# Altium PCB A PCB Christmas.PcbDoc
Units mil, origin at the board's own origin, x right, y up, seen from the top; angles counter-clockwise.
Board outline 3992.29 x 5411.45 mil, 2 copper layers (TOP, BOT), stack 59.8 mil thick; 102 components, 52 nets, 272 pads, 172 vias.
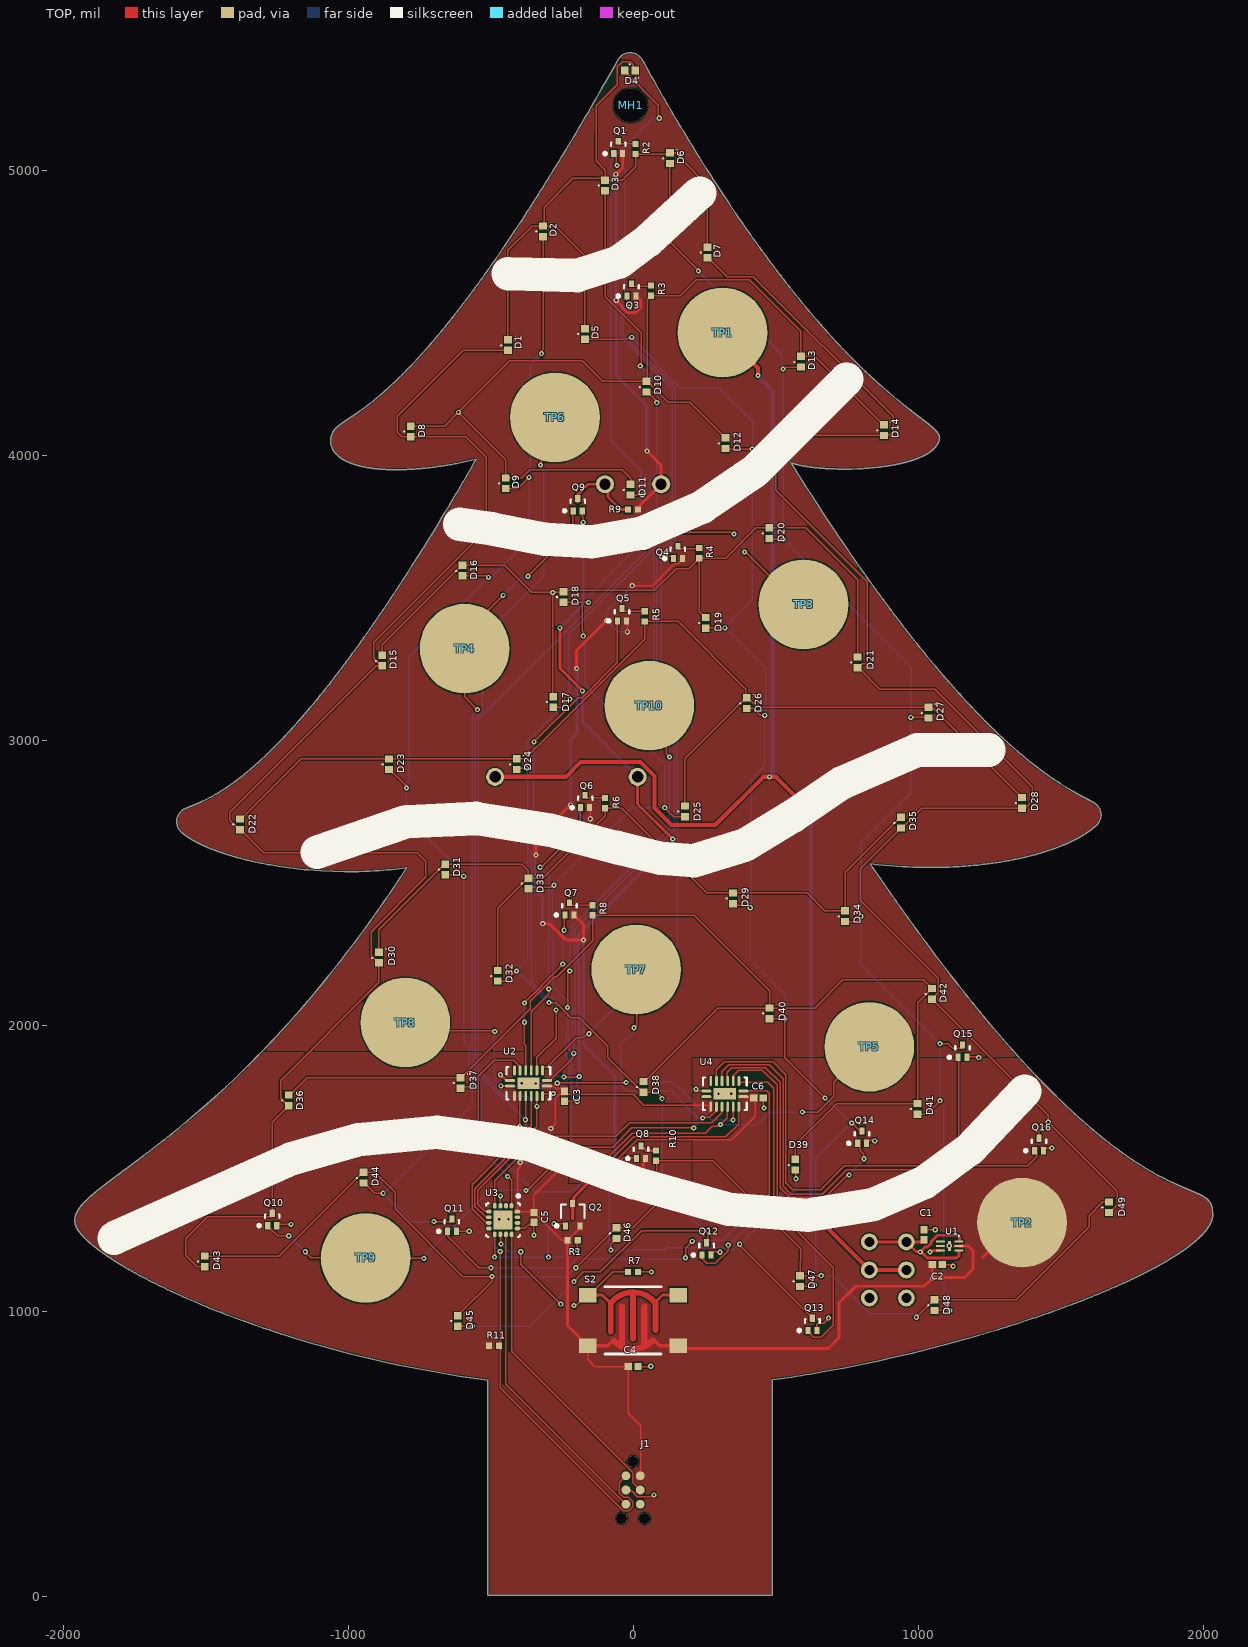
[diagram p0: TOP view]
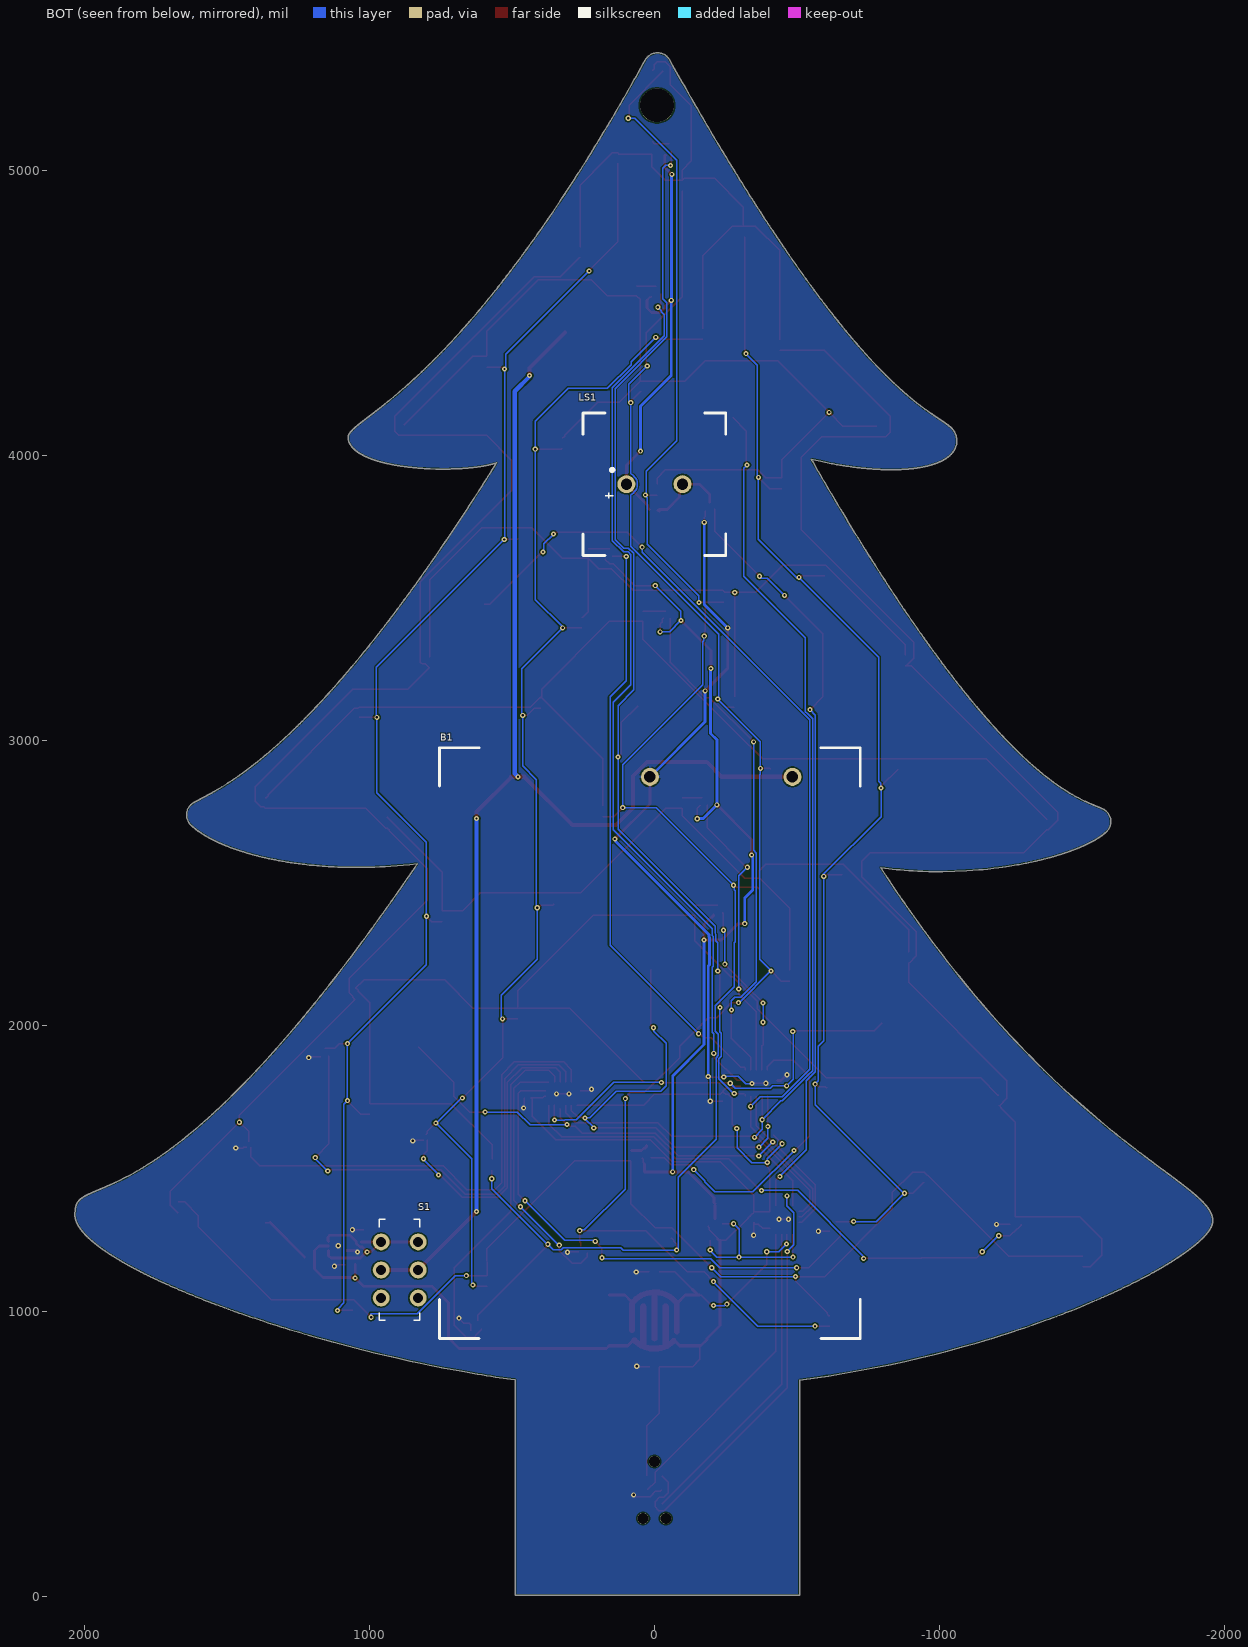
[diagram p1: BOT view, seen from below]
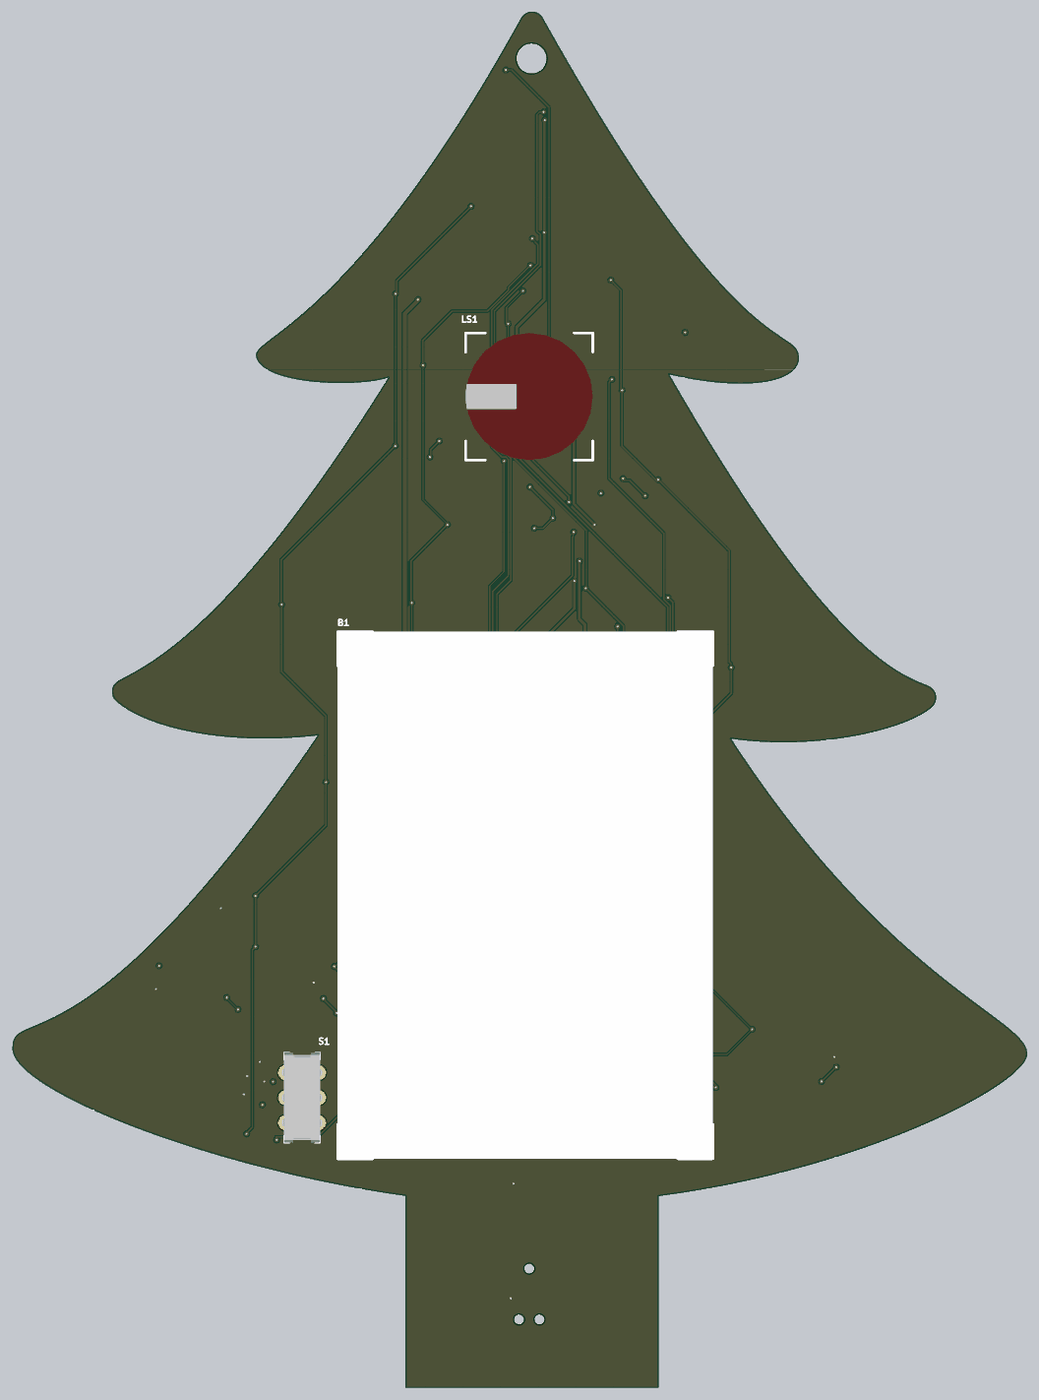
[diagram p2: 3D render of the assembled board from below, using the file's embedded part models]

## Layer stack, top to bottom
Top Solder: solder mask 1, SM-001, Dk 4
TOP: signal copper 1.4
Dielectric 3: core 57, Core-039, Dk 4.8
BOT: signal copper 1.4
Bottom Solder: solder mask 1, SM-001, Dk 4

## Board outline
4379 vertices, not listed, extent -1958.69,3 2033.6,5414.45

## Design rules (kind name [scope] priority, off if disabled: settings)
BoardOutlineClearance [All] p1: gap=5 ignorepadtopadclearanceinfootprint=FALSE
Clearance [All] p1: gap=5 ignorepadtopadclearanceinfootprint=TRUE
HoleSize [All] p1: absolutevalues=TRUE maxlimit=200 minlimit=1 maxpercent=80.000 minpercent=20.000
MinimumSolderMaskSliver [All] p1: minsoldermaskwidth=5
PlaneClearance [All] p1: clearance=5
PlaneConnect PlaneConnect_1 [All] p1: pad.planeconnectstyle=Relief pad.reliefexpansion=20 pad.reliefentries=4 pad.reliefconductorwidth=10 pad.reliefairgap=10 via.planeconnectstyle=Direct via.reliefexpansion=20 via.reliefentries=4 via.reliefconductorwidth=10 via.reliefairgap=10
PlaneConnect [All] p2: planeconnectstyle=Direct reliefexpansion=20 reliefentries=4 reliefconductorwidth=10 reliefairgap=10
PolygonConnect PolygonConnect_1 [All] p1: thpad.connectstyle=Relief thpad.reliefconductorwidth=10 thpad.reliefentries=4 thpad.polygonreliefangle="90 Angle" thpad.airgapwidth=5 smdpad.connectstyle=Direct smdpad.reliefconductorwidth=10 smdpad.reliefentries=4 smdpad.polygonreliefangle="90 Angle" smdpad.airgapwidth=10 via.connectstyle=Direct via.reliefconductorwidth=10 via.reliefentries=4 via.polygonreliefangle="90 Angle" via.airgapwidth=10
PolygonConnect [All] p2: connectstyle=Direct reliefconductorwidth=10 reliefentries=4 polygonreliefangle="90 Angle" airgapwidth=10
RoutingVias [All] p1: holewidth=8 width=18 viastyle="Through Hole" minholewidth=8 minwidth=18 maxholewidth=8 maxwidth=18
SilkToSilkClearance [All] p1: silktosilkclearance=0
SilkToSolderMaskClearance [IsPad] p1: minsilkscreentomaskgap=5 clearancetoexposedcopper=TRUE
SolderMaskExpansion [All] p1: expansion=4 istentingtop=FALSE
Width [All] p1: maxlimit=100 minlimit=5 preferedwidth=10 minimp=50.000000 maximp=50.000000 favimp=50.000000
24 further rules are at their usual default settings.

## Components (designator, comment, footprint, x,y, rotation, side; value= is the part's Value field where it differs from the comment)
B1 "Three Cell" 2479 15.75,1940 r0 bottom locked
C1 "Ceramic Cap" C0402 1020,1267.68 r270 top value=1uF
C2 "Ceramic Cap" C0402 1067,1163 r180 top value=1uF
C3 "Ceramic Cap" C0402 -240,1753.32 r90 top value=100nF
C4 "Ceramic Cap" C0402 0,805 r180 top value=100nF
C5 "Ceramic Cap" C0402 -348,1328.32 r90 top value=100nF
C6 "Ceramic Cap" C0402 440,1748 r180 top value=100nF
D1 "LED" 16-219AUTD/S3151/TR8 -439,4389.3 r270 top
D2 "LED" 16-219AUTD/S3151/TR8 -316,4788 r270 top
D3 "LED" 16-219AUTD/S3151/TR8 -98,4949 r270 top
D4 "LED" 16-219AUTD/S3151/TR8 -11,5352 r180 top
D5 "LED" 16-219AUTD/S3151/TR8 -169,4428 r270 top
D6 "LED" 16-219AUTD/S3151/TR8 129,5045 r270 top
D7 "LED" 16-219AUTD/S3151/TR8 261,4714 r270 top
D8 "LED" 16-219AUTD/S3151/TR8 -780,4086 r270 top
D9 "LED" 16-219AUTD/S3151/TR8 -447,3904.3 r270 top
D10 "LED" 16-219AUTD/S3151/TR8 47,4243.3 r270 top
D11 "LED" 16-219AUTD/S3151/TR8 -9,3882 r270 top
D12 "LED" 16-219AUTD/S3151/TR8 324,4045 r270 top
D13 "LED" 16-219AUTD/S3151/TR8 589,4330.7 r270 top
D14 "LED" 16-219AUTD/S3151/TR8 880,4090.7 r270 top
D15 "LED" 16-219AUTD/S3151/TR8 -880,3282.3 r270 top
D16 "LED" 16-219AUTD/S3151/TR8 -598,3598 r270 top
D17 "LED" 16-219AUTD/S3151/TR8 -280,3137 r270 top
D18 "LED" 16-219AUTD/S3151/TR8 -244,3505.3 r270 top
D19 "LED" 16-219AUTD/S3151/TR8 255,3414.7 r270 top
D20 "LED" 16-219AUTD/S3151/TR8 478,3729 r270 top
D21 "LED" 16-219AUTD/S3151/TR8 788,3275.7 r270 top
D22 "LED" 16-219AUTD/S3151/TR8 -1379,2707.3 r270 top
D23 "LED" 16-219AUTD/S3151/TR8 -856,2918.3 r270 top
D24 "LED" 16-219AUTD/S3151/TR8 -408,2919 r270 top
D25 "LED" 16-219AUTD/S3151/TR8 182,2753.3 r270 top
D26 "LED" 16-219AUTD/S3151/TR8 399,3133 r270 top
D27 "LED" 16-219AUTD/S3151/TR8 1036,3099.7 r270 top
D28 "LED" 16-219AUTD/S3151/TR8 1365,2782.7 r270 top
D29 "LED" 16-219AUTD/S3151/TR8 351,2448 r270 top
D30 "LED" 16-219AUTD/S3151/TR8 -892,2240.3 r270 top
D31 "LED" 16-219AUTD/S3151/TR8 -659,2549.3 r270 top
D32 "LED" 16-219AUTD/S3151/TR8 -475,2176.3 r270 top
D33 "LED" 16-219AUTD/S3151/TR8 -367,2500 r270 top
D34 "LED" 16-219AUTD/S3151/TR8 744,2385.3 r270 top
D35 "LED" 16-219AUTD/S3151/TR8 940,2713.3 r270 top
D36 "LED" 16-219AUTD/S3151/TR8 -1208,1739 r270 top
D37 "LED" 16-219AUTD/S3151/TR8 -606,1800 r270 top
D38 "LED" 16-219AUTD/S3151/TR8 36,1786.3 r270 top
D39 "LED" 16-219AUTD/S3151/TR8 569,1513.3 r270 top
D40 "LED" 16-219AUTD/S3151/TR8 479,2044.3 r270 top
D41 "LED" 16-219AUTD/S3151/TR8 998,1709.3 r270 top
D42 "LED" 16-219AUTD/S3151/TR8 1049,2113 r270 top
D43 "LED" 16-219AUTD/S3151/TR8 -1503,1174 r270 top
D44 "LED" 16-219AUTD/S3151/TR8 -946,1468 r270 top
D45 "LED" 16-219AUTD/S3151/TR8 -615,965 r270 top
D46 "LED" 16-219AUTD/S3151/TR8 -58,1273.3 r270 top
D47 "LED" 16-219AUTD/S3151/TR8 586,1105 r270 top
D48 "LED" 16-219AUTD/S3151/TR8 1058,1020.7 r270 top
D49 "LED" 16-219AUTD/S3151/TR8 1670,1364 r270 top
J1 "TC2030-PKT-NL" TC2030-PKT-NL 0,472 r270 top
LS1 "Buzzer" PS1240P02BT 0,3901 r180 bottom locked
MH1 "3MM_MH" 3MM_MH -9,5230 r0 top
Q1 "P-CH" SOTFL40P120X55-3N-2 -52.11,5082.8 r90 top
Q2 "P-CH" SOTFL65P210X75-3N -212,1337.85 r90 top
Q3 "P-CH" SOTFL40P120X55-3N-2 -5.89,4582.8 r90 top
Q4 "P-CH" SOTFL40P120X55-3N-2 157,3662 r90 top
Q5 "P-CH" SOTFL40P120X55-3N-2 -39,3443 r90 top
Q6 "P-CH" SOTFL40P120X55-3N-2 -168,2788 r90 top
Q7 "P-CH" SOTFL40P120X55-3N-2 -223,2411 r90 top
Q8 "P-CH" SOTFL40P120X55-3N-2 28,1557 r90 top
Q9 "N-CH" SOTFL40P120X55-3N -194.11,3828.84 r90 top
Q10 "N-CH" SOTFL40P120X55-3N -1266,1321.16 r90 top
Q11 "N-CH" SOTFL40P120X55-3N -636,1301.16 r90 top
Q12 "N-CH" SOTFL40P120X55-3N 258,1218 r90 top
Q13 "N-CH" SOTFL40P120X55-3N 629,953.16 r90 top
Q14 "N-CH" SOTFL40P120X55-3N 803,1610.16 r90 top
Q15 "N-CH" SOTFL40P120X55-3N 1155.89,1911.84 r90 top
Q16 "N-CH" SOTFL40P120X55-3N 1424,1584 r90 top
R1 "Resistor" RESC1005X04N -212,1248 r180 top value=10kΩ
R2 "Resistor" RESC1005X04N 9,5077 r270 top value=124Ω
R3 "Resistor" RESC1005X04N 63,4580 r270 top value=124Ω
R4 "Resistor" RESC1005X04N 232,3659 r270 top value=124Ω
R5 "Resistor" RESC1005X04N 41,3437.28 r270 top value=124Ω
R6 "Resistor" RESC1005X04N -98,2782 r270 top value=124Ω
R7 "Resistor" RESC1005X04N 0,1137 r180 top value=10kΩ
R8 "Resistor" RESC1005X04N -142,2406 r270 top value=124Ω
R9 "Resistor" RESC1005X04N 0,3812 r0 top value=1kΩ
R10 "Resistor" RESC1005X04N 80,1545 r270 top value=124Ω
R11 "10k" RESC1005X04N -488,878 r180 top
S1 "JS202011CQN" JS202011CQN 894,1144 r180 bottom
S2 "PTS645SM43SMTR92 LFS" "PTS645SM43SMTR92 LFS" 0,967 r180 top
TP1 "TP" ORNAMENTS 314,4433 r0 top
TP2 "TP" ORNAMENTS 1365,1310 r0 top
TP3 "TP" ORNAMENTS 598,3479 r0 top
TP4 "TP" ORNAMENTS -591,3324 r0 top
TP5 "TP" ORNAMENTS 829,1927 r0 top
TP6 "TP" ORNAMENTS -274,4135 r0 top
TP7 "TP" ORNAMENTS 11,2198 r0 top
TP8 "TP" ORNAMENTS -799,2012 r0 top
TP9 "TP" ORNAMENTS -938,1186 r0 top
TP10 "TP" ORNAMENTS 57,3124 r0 top
U1 "MIC5363-3.3YMT-TR" QFN40P120X120X60_HS-7N 1110.51,1228.25 r0 top
U2 "74HC595BQ-Q100,115" QFN50P250X350X100_HS-17N -367,1799 r270 top
U3 "PIC16F15225-E/MG" PQFN50P300X300X90_HS-17N -455.8,1319.16 r270 top
U4 "74HC595BQ-Q100,115" QFN50P250X350X100_HS-17N 322,1762 r270 top

## Footprints (in the part's own frame and the unit in brackets; to place one, negate y for a bottom-side part, rotate by r counter-clockwise, add the part's x,y. Pads: shape width x height; smd on the part's side, far side on the other; paste and mask are expansions set on the pad)
3MM_MH [mm]
  round 3 hole 3 unplated: 1(0,0)
16-219AUTD/S3151/TR8 [mm]
  rect 0.65x0.7 smd: 1(-0.475,0) 2(0.475,0)
  silkscreen extent -0.76,-0.64 0.05,0.64, body extent -0.48,-0.26 0.48,0.26, height 0.25
2479 [mm]
  round 1.6 hole 1.02: 1(-12.7,-23.725) 2(0,-23.725)
  silkscreen extent -18.74,-26.31 18.75,26.31, body extent -18.75,-26.32 18.75,26.32
C0402 [mm] "Chip Capacitor, 2-Leads, Body 1.00x0.50mm, IPC Medium Density"
  rect 0.66x0.62 smd mask+0.071: 1(-0.44,0) 2(0.44,0)
  body extent -0.53,-0.28 0.53,0.27, height 0.55
JS202011CQN [mm]
  round 1.5 hole 0.9: 1(-1.65,2.5) 1(1.65,2.5) 2(-1.65,0) 2(1.65,0) 3(-1.65,-2.5) 3(1.65,-2.5)
  silkscreen extent -1.8,-4.5 1.8,4.5, body extent -1.8,-4.5 1.8,4.5, height 2.63
ORNAMENTS [mm]
  round 8 smd paste-8: 1(0,0)
PQFN50P300X300X90_HS-17N [mm] "PQFN, 16-Leads, Body 3.00x3.00mm, Pitch 0.50mm, Thermal Pad 1.70x1.70mm, IPC Medium Density"
  oval 0.5x0.35 smd: 1(-1.275,0.75) 2(-1.275,0.25) 3(-1.275,-0.25) 4(-1.275,-0.75) 9(1.275,-0.75) 10(1.275,-0.25) 11(1.275,0.25) 12(1.275,0.75)
  oval 0.35x0.5 smd: 5(-0.75,-1.275) 6(-0.25,-1.275) 7(0.25,-1.275) 8(0.75,-1.275) 13(0.75,1.275) 14(0.25,1.275) 15(-0.25,1.275) 16(-0.75,1.275)
  rect 1.7x1.7 smd: 17(0,0)
  silkscreen extent -2.27,-1.5 1.5,1.5, body extent -1.5,-1.5 1.5,1.5, height 0.9
PS1240P02BT [mm]
  round 1.6 hole 1: 1(-2.5,0) 2(2.5,0)
  silkscreen extent -6.37,-6.35 6.35,6.35, body extent -6.37,-6.35 6.35,6.35, height 7.03
"PTS645SM43SMTR92 LFS" [mm]
  rect 1.55x1.3 smd: 1(-4.025,2.25) 2(4.025,2.25) 3(-4.025,-2.25) 4(4.025,-2.25)
  TOP region: -2.02,1.715 -1.973,1.62 -1.891,1.553 -1.789,1.525 -1.684,1.541 -1.595,1.599 -1.595,1.599 -1.595,1.599 -1.431,1.747 -1.254,1.878 -1.254,1.878 -1.254,-1.25 -1.229,-1.36 -1.159,-1.449 -1.057,-1.498 -0.943,-1.498 -0.841,-1.449 -0.771,-1.36 -0.746,-1.25 -0.746,-1.25 -0.746,2.131 0,2.258 0.746,2.131 0.746,2.131 0.746,-1.25 0.771,-1.36 0.841,-1.449 0.943,-1.498 1.057,-1.498 1.159,-1.449 1.229,-1.36 1.254,-1.25 1.254,-1.25 1.254,1.878 1.402,1.77 1.541,1.651 1.541,1.651 1.632,1.596 1.738,1.583 1.839,1.615 1.919,1.686 1.963,1.783 1.963,1.783 2.303,2.123 4.025,2.123 4.074,2.132 4.115,2.16 4.143,2.201 4.152,2.25 4.152,2.25 4.143,2.299 4.115,2.34 4.074,2.368 4.025,2.377 4.025,2.377 2.25,2.377 2.201,2.368 2.159,2.34 2.16,2.34 1.864,2.044 0.646,2.69 -0.732,2.668 -1.929,1.984 -1.929,1.984 -2.284,2.34 -2.326,2.368 -2.375,2.377 -2.375,2.377 -4.025,2.377 -4.08,2.365 -4.125,2.329 -4.149,2.278 -4.149,2.222 -4.125,2.171 -4.08,2.135 -4.025,2.123 -4.025,2.123 -2.428,2.123
  TOP lines w0.254: 4.025,2.25 2.25,2.25 1.837,1.837 1.714,1.837 ; 4.025,-2.25 2.75,-2.25 2.026,-1.526 1.996,-1.526 ; -2,-1.5 -2,-1.625 -2.625,-2.25 -4.025,-2.25 ; -4.025,2.25 -2.375,2.25 -1.904,1.779 -1.774,1.779 ; -1.774,1.779 -1.774,1.779
  TOP lines w0.508: 2,1 2,-1.391 ; 1.996,-1.526 cw(c0,0) -2.01,-1.507 ; 1.714,1.837 ccw(c0,0) -1.774,1.779 ; 1,2.25 1,-1.25 ; 0,1.625 0,-2.375 ; -1,2.25 -1,-1.25 ; -2,0.859 -2,-1.5
  silkscreen extent -2.5,-3 2.5,3, body extent -4.5,-3 4.5,3, height 4.3
QFN40P120X120X60_HS-7N [mm] "QFN, 6-Leads, Body 1.20x1.20mm, Pitch 0.40mm, Thermal Pad 0.26x0.90mm, IPC Medium Density"
  oval 0.8x0.2 smd: 1(-0.826,0.4) 2(-0.826,0) 3(-0.826,-0.4) 4(0.826,-0.4) 5(0.826,0) 6(0.826,0.4)
  rect 0.26x0.9 smd: 7(0,0)
  silkscreen extent 0.78,0.84 0.87,0.94, body extent -0.63,-0.63 0.63,0.63, height 0.6
QFN50P250X350X100_HS-17N [mm] "QFN, 16-Leads, Body 2.50x3.50mm, Pitch 0.50mm, Thermal Pad 1.00x2.00mm, IPC Medium Density"
  oval 0.25x0.9 smd: 1(-0.25,1.65) 8(-0.25,-1.65) 9(0.25,-1.65) 16(0.25,1.65)
  oval 0.9x0.25 smd: 2(-1.15,1.25) 3(-1.15,0.75) 4(-1.15,0.25) 5(-1.15,-0.25) 6(-1.15,-0.75) 7(-1.15,-1.25) 10(1.15,-1.25) 11(1.15,-0.75) 12(1.15,-0.25) 13(1.15,0.25) 14(1.15,0.75) 15(1.15,1.25)
  rect 1x2 smd: 17(0,0)
  silkscreen extent -1.45,-1.95 1.45,2.35, body extent -1.3,-1.8 1.3,1.8, height 1
RESC1005X04N [mm] "Chip Resistor, 2-Leads, Body 1.00x0.50mm, IPC Medium Density"
  rect 0.55x0.55 smd: 1(-0.45,0) 2(0.45,0)
  body extent -0.53,-0.27 0.53,0.28, height 0.4
SOTFL40P120X55-3N [mm] "SOTFL, 3-Leads, Body 1.20x1.20mm, Pitch 0.40mm, IPC Medium Density"
  rect 0.65x0.45 smd: 1(-0.55,0.4) 2(-0.55,-0.4) 3(0.55,0)
  silkscreen extent -0.67,-0.65 0.45,1.3, body extent -0.6,-0.65 0.6,0.65, height 0.55
SOTFL40P120X55-3N-2 [mm] "SOTFL, 3-Leads, Body 1.20x1.20mm, Pitch 0.40mm, IPC Medium Density"
  rect 0.6x0.45 smd: 1(-0.55,0.4) 2(-0.55,-0.4) 3(0.55,0)
  silkscreen extent -0.67,-0.65 0.43,1.3, body extent -0.6,-0.62 0.6,0.62, height 0.55
SOTFL65P210X75-3N [mm] "SOTFL, 3-Leads, Body 2.00x2.10mm, Pitch 0.65mm, IPC Medium Density"
  rect 0.65x0.45 smd: 1(-1,0.65) 2(-1,-0.65) 3(1,0)
  silkscreen extent -1.12,-1.05 0.9,1.55, body extent -1.05,-1.05 1.05,1.05, height 0.75
TC2030-PKT-NL [mil]
  round 31 smd paste-30.98: 1(50,-25) 2(50,25) 3(100,-25) 4(100,25) 5(150,-25) 6(150,25)
  round 39 hole 39 unplated: ""(0,0) ""(200,-40) ""(200,40)
